# KiCad board glasgow_revD0.kicad_pcb (continued)
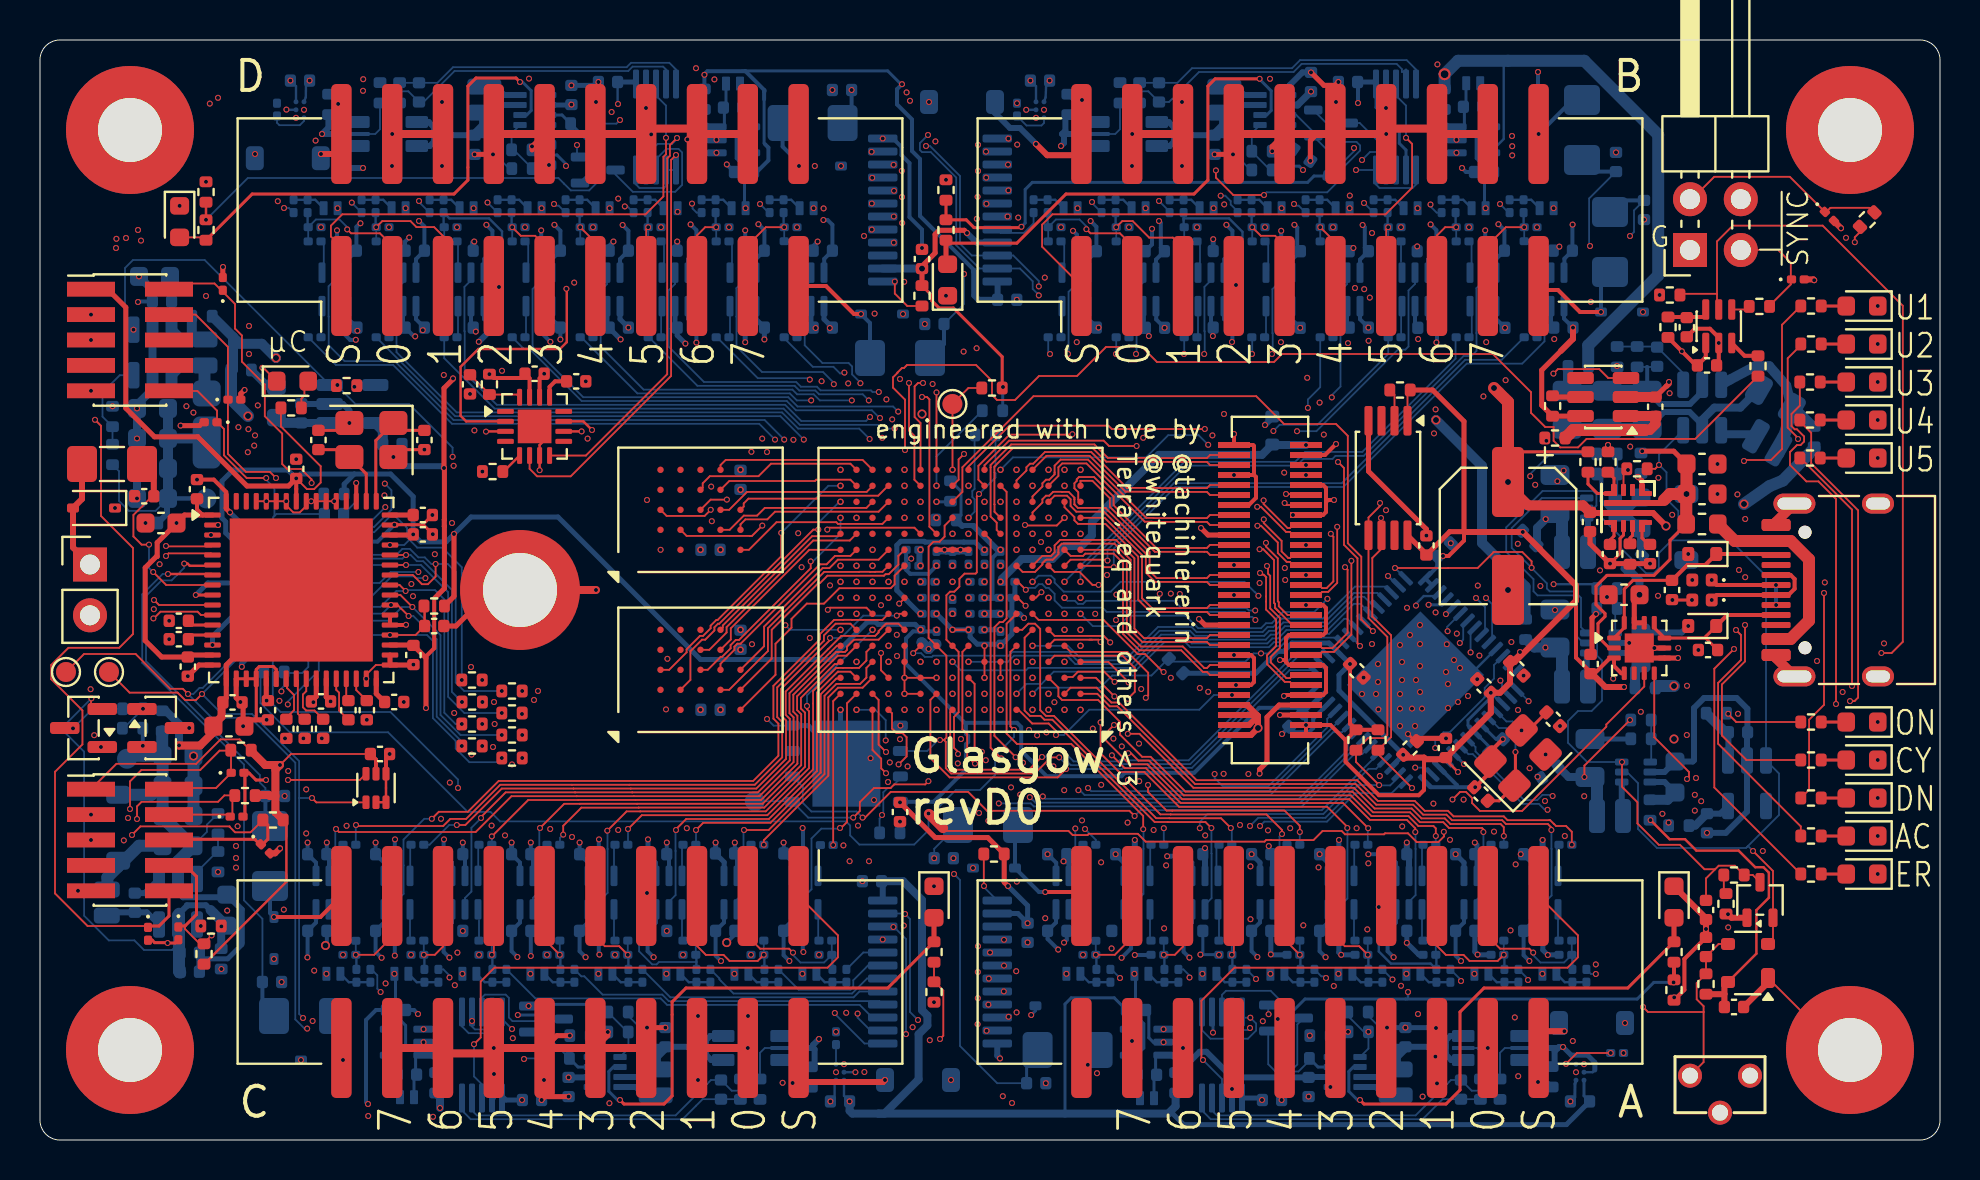
[diagram p0: board, top side]
## Placement (name value [footprint] x y rotation side) (continued)
L10  2.2uH  [L_Changjiang_FTC201612S]  22.22 52.02 270 bottom
NT1  ACT_BOOT  [NetTie-2_SMD_Pad0.5mm]  44.8 15.95 135 top
NT2  0  [R_0402_1005Metric]  88.71 35.17 270 bottom
NT3  0  [R_0402_1005Metric]  79.74 28.89 225 bottom
NT4  0  [R_0402_1005Metric]  80.26 22.6 0 bottom
NT5  0  [R_0402_1005Metric]  74.46 30.1 135 bottom
NT6  0  [R_0402_1005Metric]  74.28 25.53 90 bottom
NT7  0  [R_0402_1005Metric]  80.5 16.5 270 bottom
NT8  0  [R_0402_1005Metric]  83.82 21.34 0 bottom
NT9  0  [R_0402_1005Metric]  76.91 38.68 0 bottom
NT10  0  [R_0402_1005Metric]  10.06 38.5 180 bottom
NT11  0  [R_0402_1005Metric]  81.94 15.72 180 bottom
NT12  0  [R_0402_1005Metric]  75.75 35.1 180 top
NT13  0  [R_0402_1005Metric]  75.49 18.38 214 bottom
NT14  0  [R_0402_1005Metric]  9.06 9.06 270 bottom
NT15  0  [R_0402_1005Metric]  8.1 41.19 0 bottom
NT16  0  [R_0402_1005Metric]  6.4 30.85 0 bottom
NT17  0  [R_0402_1005Metric]  6.11 20.95 270 bottom
Q1  AO3401  [SOT-23]  2.18 20.6 180 top
Q2  AO3400  [SOT-23]  6.04 20.6 0 top
R1  22k  [R_0402_1005Metric]  88.55 20.9 0 top
R2  2k2  [R_0402_1005Metric]  88.55 19 0 top
R3  2k2  [R_0402_1005Metric]  88.55 17.1 0 top
R4  22k  [R_0402_1005Metric]  88.55 15.2 0 top
R5  13k  [R_0402_1005Metric]  88.55 13.3 0 top
R6  DNP  [R_0402_1005Metric]  68 37.5 0 top  (not fitted)
R7  2k2  [R_0402_1005Metric]  65.8 20 90 top
R8  2k2  [R_0402_1005Metric]  66.9 20 90 top
R9  100k  [R_0402_1005Metric]  56.8 23.7 315 bottom
R10  10k  [R_0402_1005Metric]  81.7 7.5 270 top
R11  10k  [R_0402_1005Metric]  45.3 47.5 90 top
R12  10k  [R_0402_1005Metric]  44.7 7.4 270 top
R13  47  [R_0402_1005Metric]  21.6 23 180 top
R14  47  [R_0402_1005Metric]  21.61 21.9 180 top
R15  47  [R_0402_1005Metric]  23.6 21.35 180 top
R16  47  [R_0402_1005Metric]  23.6 22.45 180 top
R17  47  [R_0402_1005Metric]  21.6 20.8 180 top
R18  47  [R_0402_1005Metric]  23.6 20.25 180 top
R19  47  [R_0402_1005Metric]  21.6 19.7 180 top
R20  47  [R_0402_1005Metric]  23.6 19.1 180 top
R21  10k  [R_0402_1005Metric]  8.3 47.4 90 top
R22  10k  [R_0402_1005Metric]  80.05 33.84 90 bottom
R23  2.87k  [R_0402_1005Metric]  79.5 29.3 270 top
R24  330k  [R_0402_1005Metric]  77.4 33.9 270 top
R25  120k  [R_0402_1005Metric]  78.4 33.9 90 top
R26  47k  [R_0402_1005Metric]  14.7 32.3 180 bottom
R27  10k  [R_0402_1005Metric]  11.7 23.4 0 bottom
R28  13k  [R_0402_1005Metric]  12.56 36.61 0 top
R29  10k  [R_0402_1005Metric]  19.71 26.7 180 top
R30  2.49k  [R_MiniMELF_MMA-0204]  47.4 15.75 0 bottom
R31  2.49k  [R_MiniMELF_MMA-0204]  78.5 44.9 270 bottom
R32  2.49k  [R_MiniMELF_MMA-0204]  11.5 14.2 270 bottom
R33  2.49k  [R_MiniMELF_MMA-0204]  43 39.1 180 bottom
R34  2.49k  [R_MiniMELF_MMA-0204]  3.6 33.8 180 top
R35  2.49k  [R_MiniMELF_MMA-0204]  51.38 4.5 0 bottom
R36  2.49k  [R_MiniMELF_MMA-0204]  77.1 50.5 90 bottom
R37  2.49k  [R_MiniMELF_MMA-0204]  13.2 6.2 0 bottom
R38  2.49k  [R_MiniMELF_MMA-0204]  38.63 50.85 180 bottom
R39  100k  [R_0402_1005Metric]  42.49 15.36 180 bottom
R40  0R  [R_0402_1005Metric]  47.26 35.25 0 bottom  (not fitted)
R41  2k2  [R_0402_1005Metric]  88.55 41.7 0 top
R42  13k  [R_0402_1005Metric]  88.55 39.8 0 top
R43  2k2  [R_0402_1005Metric]  88.5 37.9 0 top
R44  13k  [R_0402_1005Metric]  88.5 36 0 top
R45  2k2  [R_0402_1005Metric]  88.5 34.1 0 top
R46  47R  [R_0402_1005Metric]  85.9 38.7 270 top
R47  2k2  [R_0402_1005Metric]  81.49 42.25 180 top
R48  4.7  [R_0402_1005Metric]  81.4 40.64 270 top
R49  4.7k  [R_0402_1005Metric]  10.25 17.22 180 top
R50  47R  [R_0402_1005Metric]  85.97 41.68 180 top
R51  4.7k  [R_0402_1005Metric]  10.05 19.49 180 top
R52  4.7k  [R_0402_1005Metric]  11.65 16 180 top
R53  4.7k  [R_0402_1005Metric]  8.2 9.3 90 top
R54  10k  [R_0402_1005Metric]  47.6 37.6 0 top
R55  33k  [R_0402_1005Metric]  45.3 31 180 bottom
R56  33k  [R_0402_1005Metric]  45.53 32.45 270 bottom
R57  33k  [R_0402_1005Metric]  47.62 36.47 180 bottom
R58  47R  [R_0402_1005Metric]  91.36 46.02 225 top
R59  100k  [R_0402_1005Metric]  83.3 7.8 90 top
R60  0R  [R_0402_1005Metric]  79.85 33.56 0 top  (not fitted)
R61  453k  [R_0402_1005Metric]  78.35 34.3 0 bottom
R62  100k  [R_0402_1005Metric]  78.35 33.3 180 bottom
R63  200k  [R_0402_1005Metric]  78.35 27.57 0 bottom
R64  100k  [R_0402_1005Metric]  78.35 26.57 180 bottom
R65  442k  [R_0402_1005Metric]  79.86 39.16 90 bottom
R66  44.2k  [R_0402_1005Metric]  78.86 39.16 270 bottom
R67  100k  [R_0402_1005Metric]  84.3 11.81 90 top
R68  100k  [R_0402_1005Metric]  84.7 13.25 0 top
R69  100k  [R_0402_1005Metric]  15.33 37.72 180 top
R70  100k  [R_0402_1005Metric]  80.05 21 0 bottom
R71  120k  [R_0402_1005Metric]  80.05 20.06 180 bottom
R72  4.7  [R_0402_1005Metric]  75.63 36.7 270 top
R73  10k  [R_0402_1005Metric]  22.47 37.78 270 top
R74  10k  [R_0402_1005Metric]  22.63 33.42 180 top
R75  100k  [R_0402_1005Metric]  4.64 21.56 0 bottom
R76  100k  [R_0402_1005Metric]  8.55 10.7 180 top
R77  100k  [R_0402_1005Metric]  4.63 20.59 180 bottom
R78  390k  [R_0402_1005Metric]  8.9 13.91 90 bottom
R79  22k  [R_0402_1005Metric]  8.9 15.81 90 bottom
R80  360k  [R_0402_1005Metric]  3.63 34.28 90 bottom
R81  15k  [R_0402_1005Metric]  3.62 36.18 90 bottom
R82  10k  [R_0402_1005Metric]  47.7 14.3 180 top
R83  10k  [R_0402_1005Metric]  44.1 42.21 270 top
R84  22k  [R_0402_1005Metric]  81.7 9.4 90 top
R85  10k  [R_0402_1005Metric]  62.96 4.08 0 bottom
R86  14.3k  [R_0402_1005Metric]  64 5.22 180 bottom
R87  68k  [R_0402_1005Metric]  65.9 6.4 180 bottom
R88  24k  [R_0402_1005Metric]  65.91 5.41 180 bottom
R89  4.7  [R_0402_1005Metric]  72.02 2.54 270 bottom
R90  50m  [R_Shunt_Alt_1206_3216Metric]  72.62 4.6 0 bottom
R91  4.7  [R_0402_1005Metric]  73 2.54 270 bottom
R92  0R  [R_0402_1005Metric]  75.61 3.16 270 bottom  (not fitted)
R93  4.7k  [R_0402_1005Metric]  56.78 2.86 90 bottom
R94  100  [R_0201_0603Metric]  76.27 14.76 0 bottom
R95  100  [R_0201_0603Metric]  72.87 14.76 0 bottom
R96  100  [R_0201_0603Metric]  69.47 14.76 0 bottom
R97  100  [R_0201_0603Metric]  66.07 14.76 0 bottom
R98  100  [R_0201_0603Metric]  62.67 14.76 0 bottom
R99  100  [R_0201_0603Metric]  59.27 14.76 0 bottom
R100  100  [R_0201_0603Metric]  55.87 14.76 0 bottom
R101  100  [R_0201_0603Metric]  52.47 14.76 0 bottom
R102  100  [R_0201_0603Metric]  76.27 9.97 0 bottom
R103  100  [R_0201_0603Metric]  72.87 9.97 0 bottom
R104  100  [R_0201_0603Metric]  69.47 9.97 0 bottom
R105  100  [R_0201_0603Metric]  66.07 9.97 0 bottom
R106  100  [R_0201_0603Metric]  62.67 9.97 0 bottom
R107  100  [R_0201_0603Metric]  59.27 9.97 0 bottom
R108  100  [R_0201_0603Metric]  55.87 9.97 0 bottom
R109  100  [R_0201_0603Metric]  52.47 9.96 0 bottom
R110  4.7k  [R_0201_0603Metric]  76.62 8.21 270 bottom
R111  4.7k  [R_0201_0603Metric]  73.22 8.21 270 bottom
R112  4.7k  [R_0201_0603Metric]  69.82 8.21 270 bottom
R113  4.7k  [R_0201_0603Metric]  66.42 8.21 270 bottom
R114  4.7k  [R_0201_0603Metric]  63.02 8.21 270 bottom
R115  4.7k  [R_0201_0603Metric]  59.62 8.21 270 bottom
R116  4.7k  [R_0201_0603Metric]  56.22 8.21 270 bottom
R117  4.7k  [R_0201_0603Metric]  52.82 8.21 270 bottom
R118  4.7k  [R_0201_0603Metric]  77.32 8.21 90 bottom
R119  4.7k  [R_0201_0603Metric]  73.92 8.21 90 bottom
R120  4.7k  [R_0201_0603Metric]  70.52 8.21 90 bottom
R121  4.7k  [R_0201_0603Metric]  67.12 8.21 90 bottom
R122  4.7k  [R_0201_0603Metric]  63.72 8.21 90 bottom
R123  4.7k  [R_0201_0603Metric]  60.32 8.21 90 bottom
R124  4.7k  [R_0201_0603Metric]  56.92 8.21 90 bottom
R125  4.7k  [R_0201_0603Metric]  53.52 8.21 90 bottom
R126  22k  [R_0402_1005Metric]  45.3 45.5 270 top
R127  10k  [R_0402_1005Metric]  64.55 48.7 79.3 bottom
R128  14.3k  [R_0402_1005Metric]  63.1 49.25 325.3 bottom
R129  68k  [R_0402_1005Metric]  61.1 48.5 0 bottom
R130  24k  [R_0402_1005Metric]  61.1 49.44 0 bottom
R131  4.7  [R_0402_1005Metric]  54.98 52.36 90 bottom
R132  50m  [R_Shunt_Alt_1206_3216Metric]  54.38 50.3 180 bottom
R133  4.7  [R_0402_1005Metric]  54 52.36 90 bottom
R134  0R  [R_0402_1005Metric]  51.39 51.78 90 bottom  (not fitted)
R135  4.7k  [R_0402_1005Metric]  70.22 52.04 270 bottom
R136  100  [R_0201_0603Metric]  50.73 40.14 180 bottom
R137  100  [R_0201_0603Metric]  54.13 40.14 180 bottom
R138  100  [R_0201_0603Metric]  57.53 40.14 180 bottom
R139  100  [R_0201_0603Metric]  60.91 40.14 180 bottom
R140  100  [R_0201_0603Metric]  64.33 40.14 180 bottom
R141  100  [R_0201_0603Metric]  67.73 40.14 180 bottom
R142  100  [R_0201_0603Metric]  71.13 40.14 180 bottom
R143  100  [R_0201_0603Metric]  74.53 40.14 180 bottom
R144  100  [R_0201_0603Metric]  50.73 44.93 180 bottom
R145  100  [R_0201_0603Metric]  54.13 44.93 180 bottom
R146  100  [R_0201_0603Metric]  57.53 44.93 180 bottom
R147  100  [R_0201_0603Metric]  60.93 44.93 180 bottom
R148  100  [R_0201_0603Metric]  64.33 44.93 180 bottom
R149  100  [R_0201_0603Metric]  67.73 44.93 180 bottom
R150  100  [R_0201_0603Metric]  71.13 44.93 180 bottom
R151  100  [R_0201_0603Metric]  74.53 44.94 180 bottom
R152  4.7k  [R_0201_0603Metric]  50.38 46.69 90 bottom
R153  4.7k  [R_0201_0603Metric]  53.78 46.69 90 bottom
R154  4.7k  [R_0201_0603Metric]  57.18 46.69 90 bottom
R155  4.7k  [R_0201_0603Metric]  60.58 46.69 90 bottom
R156  4.7k  [R_0201_0603Metric]  63.98 46.69 90 bottom
R157  4.7k  [R_0201_0603Metric]  67.38 46.69 90 bottom
R158  4.7k  [R_0201_0603Metric]  70.78 46.69 90 bottom
R159  4.7k  [R_0201_0603Metric]  74.18 46.69 90 bottom
R160  4.7k  [R_0201_0603Metric]  49.68 46.69 270 bottom
R161  4.7k  [R_0201_0603Metric]  53.08 46.69 270 bottom
R162  4.7k  [R_0201_0603Metric]  56.48 46.69 270 bottom
R163  4.7k  [R_0201_0603Metric]  59.88 46.69 270 bottom
R164  4.7k  [R_0201_0603Metric]  63.28 46.69 270 bottom
R165  4.7k  [R_0201_0603Metric]  66.68 46.69 270 bottom
R166  4.7k  [R_0201_0603Metric]  70.08 46.69 270 bottom
R167  4.7k  [R_0201_0603Metric]  73.48 46.69 270 bottom
R168  22k  [R_0402_1005Metric]  44.7 9.4 90 top
R169  10k  [R_0402_1005Metric]  25.96 4.08 0 bottom
R170  14.3k  [R_0402_1005Metric]  27 5.22 180 bottom
R171  68k  [R_0402_1005Metric]  28.9 6.4 180 bottom
R172  24k  [R_0402_1005Metric]  28.9 5.4 180 bottom
R173  4.7  [R_0402_1005Metric]  35.02 2.54 270 bottom
R174  50m  [R_Shunt_Alt_1206_3216Metric]  35.62 4.6 0 bottom
R175  4.7  [R_0402_1005Metric]  36 2.54 270 bottom
R176  0R  [R_0402_1005Metric]  38.57 3.15 270 bottom  (not fitted)
R177  4.7k  [R_0402_1005Metric]  19.78 2.86 90 bottom
R178  100  [R_0201_0603Metric]  39.34 14.75 0 bottom
R179  100  [R_0201_0603Metric]  35.87 14.76 0 bottom
R180  100  [R_0201_0603Metric]  32.47 14.76 0 bottom
R181  100  [R_0201_0603Metric]  29.07 14.76 0 bottom
R182  100  [R_0201_0603Metric]  25.67 14.76 0 bottom
R183  100  [R_0201_0603Metric]  22.27 14.76 0 bottom
R184  100  [R_0201_0603Metric]  18.87 14.76 0 bottom
R185  100  [R_0201_0603Metric]  15.47 14.76 0 bottom
R186  100  [R_0201_0603Metric]  39.27 9.97 0 bottom
R187  100  [R_0201_0603Metric]  35.87 9.97 0 bottom
R188  100  [R_0201_0603Metric]  32.47 9.97 0 bottom
R189  100  [R_0201_0603Metric]  29.07 9.97 0 bottom
R190  100  [R_0201_0603Metric]  25.67 9.97 0 bottom
R191  100  [R_0201_0603Metric]  22.27 9.97 0 bottom
R192  100  [R_0201_0603Metric]  18.87 9.97 0 bottom
R193  100  [R_0201_0603Metric]  15.47 9.96 0 bottom
R194  4.7k  [R_0201_0603Metric]  39.62 8.21 270 bottom
R195  4.7k  [R_0201_0603Metric]  36.22 8.21 270 bottom
R196  4.7k  [R_0201_0603Metric]  32.82 8.21 270 bottom
R197  4.7k  [R_0201_0603Metric]  29.42 8.21 270 bottom
R198  4.7k  [R_0201_0603Metric]  26.02 8.21 270 bottom
R199  4.7k  [R_0201_0603Metric]  22.62 8.21 270 bottom
R200  4.7k  [R_0201_0603Metric]  19.22 8.21 270 bottom
R201  4.7k  [R_0201_0603Metric]  15.82 8.21 270 bottom
R202  4.7k  [R_0201_0603Metric]  40.32 8.21 90 bottom
R203  4.7k  [R_0201_0603Metric]  36.92 8.21 90 bottom
R204  4.7k  [R_0201_0603Metric]  33.52 8.21 90 bottom
R205  4.7k  [R_0201_0603Metric]  30.12 8.21 90 bottom
R206  4.7k  [R_0201_0603Metric]  26.72 8.21 90 bottom
R207  4.7k  [R_0201_0603Metric]  23.32 8.21 90 bottom
R208  4.7k  [R_0201_0603Metric]  19.92 8.21 90 bottom
R209  4.7k  [R_0201_0603Metric]  16.52 8.21 90 bottom
R210  22k  [R_0402_1005Metric]  8.3 45.5 270 top
R211  10k  [R_0402_1005Metric]  27.04 50.82 180 bottom
R212  14.3k  [R_0402_1005Metric]  25.5 49.25 270 bottom
R213  68k  [R_0402_1005Metric]  24.1 48.57 0 bottom
R214  24k  [R_0402_1005Metric]  24.09 49.51 0 bottom
R215  4.7  [R_0402_1005Metric]  17.98 52.36 90 bottom
R216  50m  [R_Shunt_Alt_1206_3216Metric]  17.38 50.3 180 bottom
R217  4.7  [R_0402_1005Metric]  17 52.36 90 bottom
R218  0R  [R_0402_1005Metric]  14.43 51.78 90 bottom  (not fitted)
R219  4.7k  [R_0402_1005Metric]  33.22 52.04 270 bottom
R220  100  [R_0201_0603Metric]  13.73 40.14 180 bottom
R221  100  [R_0201_0603Metric]  17.13 40.14 180 bottom
R222  100  [R_0201_0603Metric]  20.53 40.14 180 bottom
R223  100  [R_0201_0603Metric]  23.93 40.14 180 bottom
R224  100  [R_0201_0603Metric]  27.33 40.14 180 bottom
R225  100  [R_0201_0603Metric]  30.73 40.14 180 bottom
R226  100  [R_0201_0603Metric]  34.13 40.14 180 bottom
R227  100  [R_0201_0603Metric]  37.53 40.14 180 bottom
R228  100  [R_0201_0603Metric]  13.73 44.93 180 bottom
R229  100  [R_0201_0603Metric]  17.13 44.93 180 bottom
R230  100  [R_0201_0603Metric]  20.53 44.93 180 bottom
R231  100  [R_0201_0603Metric]  23.93 44.93 180 bottom
R232  100  [R_0201_0603Metric]  27.33 44.93 180 bottom
R233  100  [R_0201_0603Metric]  30.73 44.93 180 bottom
R234  100  [R_0201_0603Metric]  34.13 44.93 180 bottom
R235  100  [R_0201_0603Metric]  37.53 44.94 180 bottom
R236  4.7k  [R_0201_0603Metric]  13.38 46.69 90 bottom
R237  4.7k  [R_0201_0603Metric]  16.78 46.69 90 bottom
R238  4.7k  [R_0201_0603Metric]  20.18 46.69 90 bottom
R239  4.7k  [R_0201_0603Metric]  23.58 46.69 90 bottom
R240  4.7k  [R_0201_0603Metric]  26.98 46.69 90 bottom
R241  4.7k  [R_0201_0603Metric]  30.38 46.69 90 bottom
R242  4.7k  [R_0201_0603Metric]  33.78 46.69 90 bottom
R243  4.7k  [R_0201_0603Metric]  37.18 46.69 90 bottom
R244  4.7k  [R_0201_0603Metric]  12.68 46.69 270 bottom
R245  4.7k  [R_0201_0603Metric]  16.08 46.69 270 bottom
R246  4.7k  [R_0201_0603Metric]  19.48 46.69 270 bottom
R247  4.7k  [R_0201_0603Metric]  22.88 46.69 270 bottom
R248  4.7k  [R_0201_0603Metric]  26.28 46.69 270 bottom
R249  4.7k  [R_0201_0603Metric]  29.68 46.69 270 bottom
R250  4.7k  [R_0201_0603Metric]  33.08 46.69 270 bottom
R251  4.7k  [R_0201_0603Metric]  36.48 46.69 270 bottom
SW1  RST  [SW_Tactile_SPST_Angled_TC-1109DE]  84 3.22 180 top
TP1  SDA  [TestPoint_Pad_D1.0mm]  1.3 23.4 0 top  (not fitted)
TP2  SCL  [TestPoint_Pad_D1.0mm]  3.45 23.4 0 top  (not fitted)
TP3  CSSPIN  [TestPoint_Pad_D1.0mm]  35.74 16.94 180 bottom  (not fitted)
TP4  INITN  [TestPoint_Pad_D1.0mm]  45.62 36.8 0 top  (not fitted)
TP5  +15V  [TestPoint_Pad_D1.0mm]  8.32 32.08 90 bottom  (not fitted)
TP6  -15V  [TestPoint_Pad_D1.0mm]  4.35 19.06 0 bottom  (not fitted)
U1  BL24C256A-SFRC  [TSSOP-8_4.4x3mm_P0.65mm]  67.4 33.1 270 top
U2  CY7C68013A-56LTX  [QFN-56-1EP_8x8mm_P0.5mm_EP4.5x5.2mm]  68.77 23 135 bottom
U3  TMP112xxDRL  [SOT-563]  16.8 17.6 90 top
U4  FUSB302B01MPX  [WQFN-14-1EP_2.5x2.5mm_P0.5mm_EP1.45x1.45mm]  79.96 24.6 0 top
U5  TPS259472ARPW  [Texas_RPW0010A_VQFN-HR10_2x2x1mm]  79.4 31.6 270 top
U6  STM32G031G6Ux  [QFN-28_4x4mm_P0.5mm]  13.06 27.5 315 bottom
U7  NAFE71388  [VQFN-64-1EP_9x9mm_P0.5mm_EP7.15x7.15mm]  13.06 27.5 0 top
U8  LFE5U-25F-8BG256x  [BGA-256_14.0x14.0mm_Layout16x16_P0.8mm_Ball0.45mm_Pad0.32mm_NSMD]  46.03 27.51 180 top
U9  W25Q32JVZP  [WSON-8-1EP_6x5mm_P1.27mm_EP3.4x4.3mm]  40.32 18.81 0 bottom
U10  74AXP1T45  [SOT-363_SC-70-6]  83.94 40.69 90 top
U11  XccelaOPI  [BGA-24_6x8mm_Layout5x5_P1.0mm]  33.03 23.51 90 top
U12  XccelaOPI  [BGA-24_6x8mm_Layout5x5_P1.0mm]  33.03 31.51 90 top
U13  TLV62569PDRL  [SOT-563]  78.05 31.6 180 bottom
U14  TLV62569PDRL  [SOT-563]  78.05 24.85 180 bottom
U15  TLV61070ADBV  [SOT-23-6]  83.11 36.62 90 bottom
U16  APX811-40UG-7  [SOT-143]  85.4 8.85 180 top
U17  TLV77525DRL  [SOT-23-5]  85.35 17.84 270 bottom
U18  TLV62569PDRL  [SOT-563]  79.8 18.4 180 bottom
U19  TPS7A2033  [SOT-23-5]  15.62 36.8 0 bottom
U20  TPS22917DBV  [SOT-23-6]  78.16 37.15 180 top
U21  DAC43204  [WQFN-16-1EP_3x3mm_P0.5mm_EP1.68x1.68mm]  24.73 35.68 0 top
U22  SY8301  [SOT-23-6]  6.9 11.91 270 bottom
U23  SY7208CABC  [SOT-23-6]  5.62 39.38 90 bottom
U24  PCA6416APW  [TSSOP-24_4.4x7.8mm_P0.65mm]  45 8.4 180 bottom
U25  PCA6416APW  [TSSOP-24_4.4x7.8mm_P0.65mm]  45 46.5 0 bottom
U26  74AXP1T45  [SOT-363_SC-70-6]  75.25 12.37 270 bottom
U27  74AXP1T45  [SOT-363_SC-70-6]  61.65 12.37 270 bottom
U28  TPS629203  [SOT-583-8]  65.26 3.4 180 bottom
U29  74AXP1T45  [SOT-363_SC-70-6]  71.85 12.37 270 bottom
U30  74AXP1T45  [SOT-363_SC-70-6]  58.25 12.37 270 bottom
U31  74AXP1T45  [SOT-363_SC-70-6]  68.45 12.37 270 bottom
U32  74AXP1T45  [SOT-363_SC-70-6]  54.85 12.37 270 bottom
U33  NCP456R  [WLCSP-6_1.4x1.0mm_P0.4mm]  77 3.39 270 bottom
U34  INA233  [TSSOP-10_3x3mm_P0.5mm]  59.1 4.25 270 bottom
U35  74AXP1T45  [SOT-363_SC-70-6]  65.05 12.37 270 bottom
U36  74AXP1T45  [SOT-363_SC-70-6]  51.45 12.37 270 bottom
U37  TLV6001DCK  [SOT-353_SC-70-5]  55.34 4.89 180 bottom
U38  74AXP1T45  [SOT-363_SC-70-6]  51.75 42.53 90 bottom
U39  74AXP1T45  [SOT-363_SC-70-6]  65.35 42.53 90 bottom
U40  TPS629203  [SOT-583-8]  61.74 51.5 0 bottom
U41  74AXP1T45  [SOT-363_SC-70-6]  55.15 42.53 90 bottom
U42  74AXP1T45  [SOT-363_SC-70-6]  68.75 42.53 90 bottom
U43  74AXP1T45  [SOT-363_SC-70-6]  58.55 42.53 90 bottom
U44  74AXP1T45  [SOT-363_SC-70-6]  72.15 42.53 90 bottom
U45  NCP456R  [WLCSP-6_1.4x1.0mm_P0.4mm]  50 51.51 90 bottom
U46  INA233  [TSSOP-10_3x3mm_P0.5mm]  67.8 50.65 90 bottom
U47  74AXP1T45  [SOT-363_SC-70-6]  61.95 42.53 90 bottom
U48  74AXP1T45  [SOT-363_SC-70-6]  75.55 42.53 90 bottom
U49  TLV6001DCK  [SOT-353_SC-70-5]  71.66 50.01 0 bottom
U50  74AXP1T45  [SOT-363_SC-70-6]  38.25 12.37 270 bottom
U51  74AXP1T45  [SOT-363_SC-70-6]  24.65 12.37 270 bottom
U52  TPS629203  [SOT-583-8]  28.26 3.4 180 bottom
U53  74AXP1T45  [SOT-363_SC-70-6]  34.85 12.37 270 bottom
U54  74AXP1T45  [SOT-363_SC-70-6]  21.25 12.37 270 bottom
U55  74AXP1T45  [SOT-363_SC-70-6]  31.45 12.37 270 bottom
U56  74AXP1T45  [SOT-363_SC-70-6]  17.85 12.37 270 bottom
U57  NCP456R  [WLCSP-6_1.4x1.0mm_P0.4mm]  40 3.39 270 bottom
U58  INA233  [TSSOP-10_3x3mm_P0.5mm]  22.1 4.25 270 bottom
U59  74AXP1T45  [SOT-363_SC-70-6]  28.05 12.37 270 bottom
U60  74AXP1T45  [SOT-363_SC-70-6]  14.45 12.37 270 bottom
U61  TLV6001DCK  [SOT-353_SC-70-5]  18.34 4.89 180 bottom
U62  74AXP1T45  [SOT-363_SC-70-6]  14.75 42.53 90 bottom
U63  74AXP1T45  [SOT-363_SC-70-6]  28.35 42.53 90 bottom
U64  TPS629203  [SOT-583-8]  24.74 51.5 0 bottom
U65  74AXP1T45  [SOT-363_SC-70-6]  18.15 42.53 90 bottom
U66  74AXP1T45  [SOT-363_SC-70-6]  31.75 42.53 90 bottom
U67  74AXP1T45  [SOT-363_SC-70-6]  21.55 42.53 90 bottom
U68  74AXP1T45  [SOT-363_SC-70-6]  35.15 42.53 90 bottom
U69  NCP456R  [WLCSP-6_1.4x1.0mm_P0.4mm]  13 51.51 90 bottom
U70  INA233  [TSSOP-10_3x3mm_P0.5mm]  30.8 50.65 90 bottom
U71  74AXP1T45  [SOT-363_SC-70-6]  24.95 42.53 90 bottom
U72  74AXP1T45  [SOT-363_SC-70-6]  38.55 42.53 90 bottom
U73  TLV6001DCK  [SOT-353_SC-70-5]  34.66 50.01 0 bottom
Y1  24M  [Crystal_SMD_3225-4Pin_3.2x2.5mm]  73.9 19.1 45 top
Y2  18.432MHz  [Crystal_SMD_3225-4Pin_3.2x2.5mm]  16.57 35 180 top

## Library data of the parts
C1-C8 C17 C21 C46 C58 C74-C77 C90 C95 C96 C103 C120-C123 C125-C130 C132 C133 C136-C141 C143-C147 C150-C155 C157 C158 C161-C166 C168-C172 C175-C180 C182 C183 C186-C191 C193-C197 C200-C205 C207 C208 C211-C216 C218-C222 = -: Description: Unpolarized capacitor, small symbol; KiLib_Generator: SMD_2terminal_chip_molded; LCSC: C52923; MPN: CL05A105KA5NQNC; ki_fp_filters: C_*
C9 C12 C70 C71 C83 C92 = -: Description: Unpolarized capacitor, small symbol; KiLib_Generator: SMD_2terminal_chip_molded; Mfg: Taiyo Yuden; MPN: CL05B104KB54PNC; LCSC: C307331; ki_fp_filters: C_*
C10 C11 = -: Description: Unpolarized capacitor, small symbol; KiLib_Generator: SMD_2terminal_chip_molded; LCSC: C1547; MPN: 0402CG120J500NT; ki_fp_filters: C_*
C13 C18 = -: Description: Unpolarized capacitor, small symbol; KiLib_Generator: SMD_2terminal_chip_molded; MPN: UMK107B7474KA-TR; LCSC: C92847; ki_fp_filters: C_*
C14 C15 = -: Description: Unpolarized capacitor, small symbol; KiLib_Generator: SMD_2terminal_chip_molded; LCSC: C13533; MPN: CL05C331JB5NNNC; ki_fp_filters: C_*
C16 C98 C105 C108-C115 = -: Description: Unpolarized capacitor, small symbol; KiLib_Generator: SMD_2terminal_chip_molded; MPN: CGA0603X5R106M350JT; LCSC: C6119878; ki_fp_filters: C_*
C19 = -: Description: Unpolarized capacitor, small symbol; KiLib_Generator: SMD_2terminal_chip_molded; LCSC: C1518204; MPN: GRM1555C1H472JE01D; ki_fp_filters: C_*
C20 = -: Description: Unpolarized capacitor, small symbol; KiLib_Generator: SMD_2terminal_chip_molded; LCSC: C6144275; MPN: CC0402KRX7R9BB132; ki_fp_filters: C_*
C22 = -: Datasheet: https://www.nichicon.co.jp/english/series_items/catalog_pdf/e-rsl.pdf; Description: Polarized capacitor, small symbol; KiLib_Generator: capacitor/SMD/elec_round_polarized; MPN: RSL0J221MCN1GB; LCSC: C2161512; ki_fp_filters: CP_*
C23 C44 = -: Description: Unpolarized capacitor, small symbol; KiLib_Generator: SMD_2terminal_chip_molded; MPN: CL05B104KB54PNC; LCSC: C307331; ki_fp_filters: C_*
C24 C26 C29 C31 C32 C45 = -: Description: Unpolarized capacitor, small symbol; KiLib_Generator: SMD_2terminal_chip_molded; MPN: CL05A475MP5NRNC; LCSC: C23733; ki_fp_filters: C_*
C25 C28 C33 = -: Description: Unpolarized capacitor, small symbol; KiLib_Generator: SMD_2terminal_chip_molded; MPN: CL05A105KA5NQNC; LCSC: C52923; ki_fp_filters: C_*
C27 = -: Description: Unpolarized capacitor, small symbol; KiLib_Generator: SMD_2terminal_chip_molded; LCSC: C23733; MPN: CL05A475MP5NRNC; ki_fp_filters: C_*
C30 C34 = -: Description: Unpolarized capacitor, small symbol; KiLib_Generator: SMD_2terminal_chip_molded; MPN: CL10A106MA8NRNC; LCSC: C96446; ki_fp_filters: C_*
C35 = -: Description: Unpolarized capacitor, small symbol; KiLib_Generator: SMD_2terminal_chip_molded; MPN: 0402CG101J500NT; LCSC: C1546; ki_fp_filters: C_*
C36 C38 = -: Description: Unpolarized capacitor, small symbol; KiLib_Generator: SMD_2terminal_chip_molded; LCSC: C32949; MPN: CL05C100JB5NNNC; ki_fp_filters: C_*
C37 C39 = -: Description: Unpolarized capacitor, small symbol; KiLib_Generator: SMD_2terminal_chip_molded; MPN: GRM155R71C474KE01D; LCSC: C471404; ki_fp_filters: C_*
C40 C41 C43 = -: Description: Unpolarized capacitor, small symbol; KiLib_Generator: SMD_2terminal_chip_molded; MPN: CL05B103KB5NNNC; LCSC: C15195; ki_fp_filters: C_*
C42 = -: Description: Unpolarized capacitor, small symbol; KiLib_Generator: SMD_2terminal_chip_molded; MPN: GCM1555C1H102FA16D; LCSC: C126493; ki_fp_filters: C_*
C47-C55 = -: Description: Unpolarized capacitor, small symbol; KiLib_Generator: SMD_2terminal_chip_molded; MPN: GRM1555C2A221JE01D; LCSC: C1518203; ki_fp_filters: C_*
C56 C57 C59-C69 C72 C73 C78 C79 C116-C119 = -: Description: Unpolarized capacitor, small symbol; KiLib_Generator: SMD_2terminal_chip_molded; LCSC: C307385; MPN: CL03A105MO3NRNH; ki_fp_filters: C_*
C80 = -: Description: Unpolarized capacitor, small symbol; KiLib_Generator: SMD_2terminal_chip_molded; LCSC: C15850; MPN: CL21A106KAYNNNE; ki_fp_filters: C_*
C81 C82 C89 = -: Description: Unpolarized capacitor, small symbol; KiLib_Generator: SMD_2terminal_chip_molded; LCSC: C389010; MPN: GRM188Z71C475KE21D; ki_fp_filters: C_*
C84 C100 C107 C135 C160 C185 C210 = -: Description: Unpolarized capacitor, small symbol; KiLib_Generator: SMD_2terminal_chip_molded; LCSC: C307331; MPN: CL05B104KB54PNC; ki_fp_filters: C_*
C85 C86 C88 C91 C93 C97 = -: Description: Unpolarized capacitor, small symbol; KiLib_Generator: SMD_2terminal_chip_molded; LCSC: C45783; MPN: CL21A226MAQNNNE; ki_fp_filters: C_*
C87 = -: Description: Unpolarized capacitor, small symbol; KiLib_Generator: SMD_2terminal_chip_molded; LCSC: C2939813; MPN: 0402B361K500NT; ki_fp_filters: C_*
C94 C99 C124 C131 C134 C149 C156 C159 C174 C181 C184 C199 C206 C209 = -: Description: Unpolarized capacitor, small symbol; KiLib_Generator: SMD_2terminal_chip_molded; LCSC: C15525; MPN: CL05A106MQ5NUNC; ki_fp_filters: C_*
C101 C102 C106 = -: Description: Unpolarized capacitor, small symbol; KiLib_Generator: SMD_2terminal_chip_molded; MPN: GRM155R61E225KE11D; LCSC: C385032; ki_fp_filters: C_*
C104 = -: Description: Unpolarized capacitor, small symbol; KiLib_Generator: SMD_2terminal_chip_molded; MPN: GRM155R61E225KE11D; LCSC: C385032; Note: 2.2uF used, 1.5 unavailable at JLC; ki_fp_filters: C_*
C142 C167 C192 C217 = -: Description: Unpolarized capacitor, small symbol; KiLib_Generator: SMD_2terminal_chip_molded; MPN: CC0201KRX7R9BB102; LCSC: C505464; ki_fp_filters: C_*
C148 C173 C198 C223 = -: Description: Unpolarized capacitor, small symbol; KiLib_Generator: SMD_2terminal_chip_molded; ki_fp_filters: C_*
D1 D40 D60 D80 D100 = -: Description: Light emitting diode, small symbol; KiLib_Generator: SMD_2terminal_chip_molded; Mfg: Foshan NationStar Optoelectronics; MPN: NCD0603G1; LCSC: C2986048; ki_fp_filters: LED* LED_SMD:* LED_THT:*
D2 = -: Description: Light emitting diode, small symbol; KiLib_Generator: SMD_2terminal_chip_molded; Mfg: Foshan NationStar Optoelectronics; MPN: NCD0603W1; LCSC: C2290; ki_fp_filters: LED* LED_SMD:* LED_THT:*
D3 = -: Description: Light emitting diode, small symbol; KiLib_Generator: SMD_2terminal_chip_molded; Mfg: Orient; MPN: ORH-B36G; LCSC: C2986058; ki_fp_filters: LED* LED_SMD:* LED_THT:*
D4 = -: Description: Light emitting diode, small symbol; KiLib_Generator: SMD_2terminal_chip_molded; Mfg: Foshan NationStar Optoelectronics; MPN: NCD0603O1; LCSC: C84269; ki_fp_filters: LED* LED_SMD:* LED_THT:*
D5 = -: Description: Light emitting diode, small symbol; KiLib_Generator: SMD_2terminal_chip_molded; Mfg: Foshan NationStar Optoelectronics; MPN: NCD0603R1; LCSC: C2986060; ki_fp_filters: LED* LED_SMD:* LED_THT:*
D6 D7 = -: Datasheet: https://www.ti.com/lit/ds/symlink/esd321.pdf; Description: Zener diode, small symbol; KiLib_Generator: SMD_2terminal_chip_molded; LCSC: C19829523; MPN: ESD321DPYR; ki_fp_filters: TO-???* *_Diode_* *SingleDiode* D_*
D8 D9 = -: Datasheet: https://www.lcsc.com/datasheet/C5199848.pdf; Description: Zener diode, small symbol; MPN: ESD5Z5.0T1G; LCSC: C5199848; ki_fp_filters: TO-???* *_Diode_* *SingleDiode* D_*
D10 = -: Datasheet: https://www.diodes.com/datasheet/download/MMSZ5221B.pdf; Description: Zener diode, small symbol; MPN: MMSZ5250B; LCSC: C19077431; ki_fp_filters: TO-???* *_Diode_* *SingleDiode* D_*
D11-D13 D29-D35 = -: Description: Zener diode, small symbol; KiLib_Generator: SMD_2terminal_chip_molded; MPN: TPD1E04U04DPLR-TP; LCSC: C41408060; ki_fp_filters: TO-???* *_Diode_* *SingleDiode* D_*
D14 D25 D27 = -: Description: Light emitting diode, small symbol; KiLib_Generator: SMD_2terminal_chip_molded; Mfg: Optosupply; MPN: OSK40603C1E; LCSC: C51933299; Sim.Pins: 1=K 2=A; ki_fp_filters: LED* LED_SMD:* LED_THT:*
D15-D23 = -: Description: Bidirectional transient-voltage-suppression diode, small symbol; MPN: SD20C; LCSC: C1977978; ki_fp_filters: TO-???* *_Diode_* *SingleDiode* D_*
D24 D28 = -: Description: Light emitting diode, small symbol; KiLib_Generator: SMD_2terminal_chip_molded; Mfg: Orient; MPN: ORH-B36G; LCSC: C2986058; Sim.Pins: 1=K 2=A; ki_fp_filters: LED* LED_SMD:* LED_THT:*
D26 = -: Description: Light emitting diode, small symbol; KiLib_Generator: SMD_2terminal_chip_molded; Mfg: Foshan NationStar Optoelectronics; MPN: NCD0603W1; LCSC: C2290; Sim.Pins: 1=K 2=A; ki_fp_filters: LED* LED_SMD:* LED_THT:*
D36 = -: Datasheet: https://www.lcsc.com/datasheet/C22395574.pdf; Description: Zener diode, small symbol; MPN: BZX584C3V6; LCSC: C22395574; ki_fp_filters: TO-???* *_Diode_* *SingleDiode* D_*
D37 = -: Datasheet: https://www.lcsc.com/datasheet/C18207544.pdf; Description: Dual schottky barrier diode, common anode, SOT-323; KiLib_Generator: package/gullwing; MPN: BAT54AW-7-F; Mfg: Diodes Inc.; LCSC: C18207544; ki_fp_filters: SOT?323*
D38 = -: Description: Schottky diode, small symbol; MPN: SBA330AH; LCSC: C313468; ki_fp_filters: TO-???* *_Diode_* *SingleDiode* D_*
D39 = -: Description: Zener diode, small symbol; MPN: MM1Z24; LCSC: C22379465; ki_fp_filters: TO-???* *_Diode_* *SingleDiode* D_*
D41 D61 D81 D101 = -: Datasheet: https://assets.nexperia.com/documents/data-sheet/BAT54W_SER.pdf; Description: Dual schottky barrier diode, common cathode, SOT-323; KiLib_Generator: package/gullwing; LCSC: C22392482; ki_fp_filters: SOT?323*
D42-D50 D62-D70 D82-D90 D102-D110 = -: Datasheet: https://assets.nexperia.com/documents/data-sheet/BAT54L.pdf; Description: Schottky diode, small symbol; LCSC: C587155; ki_fp_filters: TO-???* *_Diode_* *SingleDiode* D_*
D51-D58 D71-D78 D91-D98 D111-D118 = -: Description: Zener diode, small symbol; KiLib_Generator: SMD_2terminal_chip_molded; MPN: ESD441DPLR; LCSC: C46472760; ki_fp_filters: TO-???* *_Diode_* *SingleDiode* D_*
D59 D79 D99 D119 = -: Description: Zener diode, small symbol; LCSC: C145506; MPN: MMSZ5233BT1G; ki_fp_filters: TO-???* *_Diode_* *SingleDiode* D_*
FB1 = -: Description: Ferrite bead, small symbol; KiLib_Generator: SMD_2terminal_chip_molded; MPN: HCB1608KF-601T20; LCSC: C304319; ki_fp_filters: Inductor_* L_* *Ferrite*
FB2 = -: Description: Ferrite bead, small symbol; KiLib_Generator: SMD_2terminal_chip_molded; MPN: BLM18PG121SN1D; LCSC: C14709; ki_fp_filters: Inductor_* L_* *Ferrite*
G1 = -: Description: Fully Automated Logo
H1-H4 = -: Description: Mounting Hole with connection; KiLib_Generator: mounting_hardware/mounting_hole; ki_fp_filters: MountingHole*Pad*
H5 = -: Description: Mounting Hole with connection; KiLib_Generator: mounting_hardware/Wuerth_SMT_spacer; ki_fp_filters: MountingHole*Pad*
J1 = -: Datasheet: https://www.usb.org/sites/default/files/documents/usb_type-c.zip; Description: USB 2.0-only 16P Type-C Receptacle connector; LCSC: C165948; ki_fp_filters: USB*C*Receptacle*
